# EAGLE board Mk4 Final a Panel score 2x5 (EAGLE 9.0.1), part 16 of 29
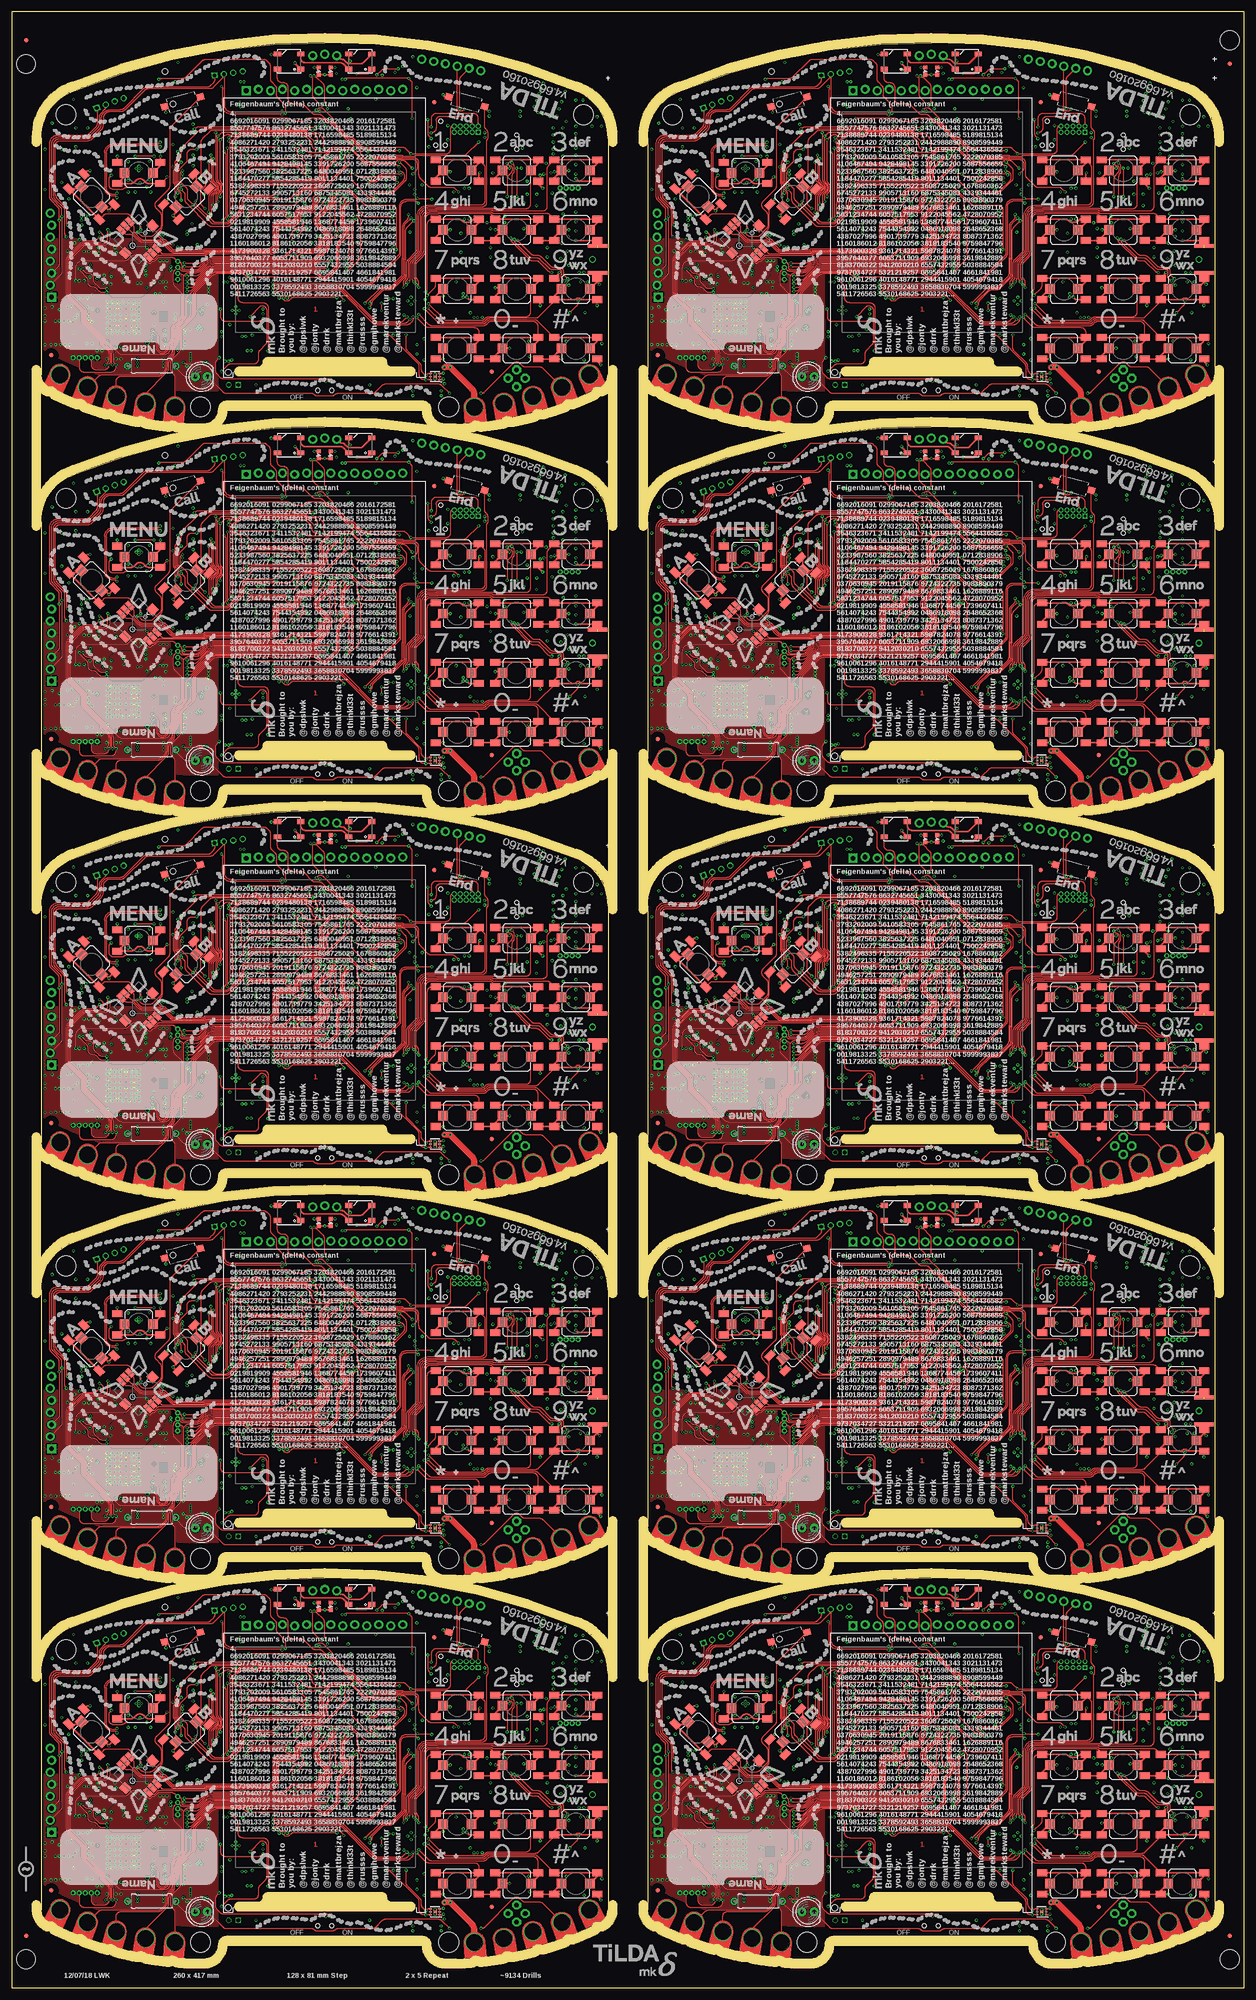
[diagram p0: board, top side]
## Tracks (layer width: path | path; a pad name or v marks a point on that pad's centre or on a via) (continued)
GND9  (via drill 0.3)  (1 unrouted) (continued)
  other vias: 191.25,368.25 200.75,368.25 184.9,371.15 154.8,384.4 154.25,383.95 244.7,378.1 244.35,374.35 244,398 243.5,396.5 243,395 241.5,395 240,395.5 239,395.75 238.25,397 238.75,398.25 239.25,399.75 149.7,353.1 149.7,351.9 149.7,350.7 150.9,350.7 152.1,350.7 153.3,350.7 153.3,351.9 153.3,353.1 152.1,354.3 145,357.25 145,354.35 141,349.2 140.25,346.75 139.25,346.75 138.25,346.75 137.25,346.75 140,351.75 139,351.75 138,351.75 137.2,351.75 213,356 212.25,356.75 212.25,355.25 223.25,357.5 223.25,356.75 248,360 247,370.75 247,372.65 247,374.75 247,376.75 247,382.75 247,384.75 247,386.75 247,391.25 247,392.85 250.4,392.85 252.4,392.85 175.25,354 176,354 175.25,354.75 175.25,353.25 174.5,354 157.3,378.95 152.55,378.95 152.55,381.45 157.05,381.55 157.05,385.45 165.7,344.85 165.7,344.35 165.7,343.35 165.7,343.85 164.9,342.25 165.6,342.25 164.6,349.95 164.5,348.95 164.5,346.75 164.5,347.55 148.75,353.1 148.75,351.9 148.75,350.7 148.75,354.3 154.25,353.1 154.25,351.9 154.25,350.7 154.25,354.3 149.7,349.75 150.9,349.75 152.1,349.75 153.3,349.75 149.7,355.25 150.9,355.25 152.1,355.25 153.3,355.25 154.25,349.75 154.25,355.25 148.75,355.25 148.75,349.75 152.7,355.85 149.2,355.85 148.15,355.85 148.15,354.8 151.5,349.15 152.7,349.15 153.9,349.15 150.3,349.15 149.2,349.15 154.85,352.45 154.85,351.25 154.85,350.05 154.85,353.65 148.15,352.5 148.15,351.3 148.15,350.2 148.15,353.7 154.85,354.75 154.85,355.85 154.85,349.15 148.15,349.15 248.7,362 247.7,362 249.5,360 244,368.2 138.5,388 138.5,381 141.5,388.5 141.5,392.5 144,392.5 141,398.5 136.5,393.5 135,388 135,379.5 140,377.5 141.25,368.25 135,354.5 232,365.25 229,365.25 229,367.25 229,371.25 236,371.25 238.7,376.1 236,376.75 242,378.75 245.5,363.5 245.25,366.5 247,388.25 247,389.75 245,393.85 247,398.35 251.5,394.85 248.5,398.35 243.85,364.95 247,363.5 140.6,354.95 141.35,352.45 141.85,352.95 144,354.7 143,356.7 144,356.7 142.1,356.6 244.25,392.5 242.25,392.5 244.25,391 242.25,391 244.25,389.5 242.25,389.5 244.25,388 242.25,388 244.25,386.5 242.25,387 240.75,385 240.25,382.75 239.5,382.5 241.75,383 242.5,383.25 244,385 139.75,366.5 138,354.15 135,352.85 232,376.25 232,372.5 232,373.9
  pour GND@3 (isolate 0.254, rank 6): 134.2,392.5 134.2,339 arc31 166,330 168.7,330 arc90 171.5,332.8 arc-90 173.5,334.8 214.5,334.8 arc-90 216.5,332.8 arc90 219.3,330 222,330 arc31 253.8,339 253.8,362.5 247.5,362.5 247.5,392.5 253.8,392.5 arc64 247.25,400.25 arc24 194,410.5 arc24 140.75,400.25 arc55
  pour Bottom (rank 6): 201.25,366.9 201.25,368.25 201,368.5 191,368.5 190.75,368.25 190.75,366.9
  pour Bottom (isolate 0.254, rank 6): 134.2,392.5 134.2,346 arc9 145,341 145,353 147,353 147,359 145,359 145,361 arc90 144,362 143,362 arc-90 142,363 142,383.71 arc-90 154.79,396.5 162.5,396.5 166,400 224.5,399.5 arc-90 227,397 227,362.5 238.09,362.5 arc-45 238.79,362.21 241.21,359.79 arc45 241.91,359.5 253.8,359.5 253.8,362.5 247.5,362.5 247.5,392.5 253.8,392.5 arc64 247.25,400.25 arc24 194,410.5 arc24 140.75,400.25 arc55
  pour Bottom (rank 2, no thermals): 235.5,363 237,363 237,360.5 236.41,360.5 arc45 235.71,360.21 235.29,359.79 arc45 235,359.09 235,357 arc-90 234,356 223.5,356 arc-90 222.5,357 arc-90 223.5,358 231.75,358 arc90 232.75,359 232.75,359.09 arc-45 233.04,359.79 233.71,360.46 arc-45 234.41,360.75 234.59,360.75 arc45 235.29,361.04 235.5,361.25
  pour Bottom (no thermals): 185.5,369.5 185.5,368.2 185.3,368 185.2,368 185,368.2 185,369.25 184.5,369.75 184.5,371.3 184.7,371.5 185.05,371.5 185.25,371.3 185.25,369.75
  pour Bottom: 157.55,378.95 157.55,384.95 arc90 156.55,385.95 153.05,385.95 arc90 152.05,384.95 152.05,378.95 arc90 153.05,377.95 156.55,377.95 arc90
  pour Bottom (no thermals): 171.4,357 171.4,358.1 171.2,358.3 171.2,359.05 171,359.25 169.75,359.25 169.25,358.75 169.25,357.25 169.5,357
  pour Bottom (no thermals): 165.9,344.8 165.9,342.3 arc-90 165.4,341.8 164.45,341.8 arc-90 163.95,342.3 163.95,349.65 arc-90 164.45,350.15 165.55,350.15 arc-90 166.05,349.65 166.05,346.1 arc90 166.55,345.6 167.8,345.6 167.85,345.55 167.85,344.9 167.75,344.8
  pour Top (rank 6): 134.2,369 134.2,346 arc34 171,337 171.5,337 171.5,369
GSM_ANT
  Bottom 0.4: L3.1 C72.2 117.26,43.6 arc45 116.56,43.31 115.59,42.34 arc-45 114.89,42.05 IC5.32
GSM_ANT1
  Bottom 0.4: L13.1 C173.2 245.26,43.6 arc45 244.56,43.31 243.59,42.34 arc-45 242.89,42.05 IC21.32
GSM_ANT2
  Bottom 0.4: L22.1 C281.2 117.26,124.6 arc45 116.56,124.31 115.59,123.34 arc-45 114.89,123.05 IC39.32
GSM_ANT3
  Bottom 0.4: L31.1 C389.2 245.26,124.6 arc45 244.56,124.31 243.59,123.34 arc-45 242.89,123.05 IC57.32
GSM_ANT4
  Bottom 0.4: L40.1 C497.2 117.26,205.6 arc45 116.56,205.31 115.59,204.34 arc-45 114.89,204.05 IC75.32
GSM_ANT5
  Bottom 0.4: L49.1 C605.2 245.26,205.6 arc45 244.56,205.31 243.59,204.34 arc-45 242.89,204.05 IC93.32
GSM_ANT6
  Bottom 0.4: L58.1 C713.2 117.26,286.6 arc45 116.56,286.31 115.59,285.34 arc-45 114.89,285.05 IC111.32
GSM_ANT7
  Bottom 0.4: L67.1 C821.2 245.26,286.6 arc45 244.56,286.31 243.59,285.34 arc-45 242.89,285.05 IC129.32
GSM_ANT8
  Bottom 0.4: L76.1 C929.2 117.26,367.6 arc45 116.56,367.31 115.59,366.34 arc-45 114.89,366.05 IC147.32
GSM_ANT9
  Bottom 0.4: L85.1 C1037.2 245.26,367.6 arc45 244.56,367.31 243.59,366.34 arc-45 242.89,366.05 IC165.32
HDC_INT  (via drill 0.3)
  Top 0.15: v84.6,58.8 85.21,59.41 arc45 85.5,60.11 85.5,60.9 arc90 84.5,61.9 82.45,61.9 arc-45 82.31,61.96 82.2,62.07 arc45 82.06,62.12 81.54,62.12 arc45 81.4,62.07 81.29,61.96 arc-45 81.15,61.9 76.75,61.9 arc45 76.4,61.75 76.26,61.62 arc-45 75.91,61.48 75.44,61.48 arc-45 74.73,61.77 73.79,62.71 arc-45 73.5,63.41 73.5,63.53 arc45 73.21,64.23 72.31,65.13 arc45 71.96,65.28 arc-45 71.73,65.37 v71.6,65.5 | v75.5,30.6 arc-45 75.61,30.87 75.88,31.14 arc45 76.03,31.49 76.03,31.72 arc-45 76.17,32.07 78.11,34.01 arc-45 78.81,34.3 79.79,34.3 arc45 80.49,34.59 82.71,36.81 arc45 83,37.51 83,40.7 arc-45 83.03,40.77 83.1,40.83 arc45 83.12,40.9 83.12,46.81 arc-45 83.42,47.52 v84.8,48.9
  3V3@2 0.15: v84.8,48.9 84.8,51.2 83.1,52.9 83.1,58 84,58.9 84.5,58.9 v84.6,58.8
  Bottom 0.15: IC3.4 86.12,12 arc90 85.88,11.75 85.88,11.6 arc-90 85.62,11.35 84.8,11.35 arc-90 83.8,12.35 83.8,12.79 arc-45 84.09,13.49 84.34,13.74 arc-45 84.48,13.8 84.52,13.8 arc45 84.66,13.86 85.86,15.06 arc45 86.3,16.12 86.3,17.85 arc90 84.55,19.6 81.42,19.6 arc-45 80.53,19.97 75.57,24.93 arc-45 75.2,25.82 75.2,29.89 arc-45 v75.49,30.59 v75.5,30.6 | IC1.95 71.8,65.98 arc-45 v71.6,65.5
HDC_INT1  (via drill 0.3)
  Top 0.15: v212.6,58.8 213.21,59.41 arc45 213.5,60.11 213.5,60.9 arc90 212.5,61.9 210.45,61.9 arc-45 210.31,61.96 210.2,62.07 arc45 210.06,62.12 209.54,62.12 arc45 209.4,62.07 209.29,61.96 arc-45 209.15,61.9 204.75,61.9 arc45 204.4,61.75 204.26,61.62 arc-45 203.91,61.48 203.44,61.48 arc-45 202.73,61.77 201.79,62.71 arc-45 201.5,63.41 201.5,63.53 arc45 201.21,64.23 200.31,65.13 arc45 199.96,65.28 arc-45 199.73,65.37 v199.6,65.5 | v203.5,30.6 arc-45 203.61,30.87 203.88,31.14 arc45 204.03,31.49 204.03,31.72 arc-45 204.17,32.07 206.11,34.01 arc-45 206.81,34.3 207.79,34.3 arc45 208.49,34.59 210.71,36.81 arc45 211,37.51 211,40.7 arc-45 211.03,40.77 211.1,40.83 arc45 211.12,40.9 211.12,46.81 arc-45 211.42,47.52 v212.8,48.9
  3V3@2 0.15: v212.8,48.9 212.8,51.2 211.1,52.9 211.1,58 212,58.9 212.5,58.9 v212.6,58.8
  Bottom 0.15: IC35.4 214.12,12 arc90 213.88,11.75 213.88,11.6 arc-90 213.62,11.35 212.8,11.35 arc-90 211.8,12.35 211.8,12.79 arc-45 212.09,13.49 212.34,13.74 arc-45 212.48,13.8 212.52,13.8 arc45 212.66,13.86 213.86,15.06 arc45 214.3,16.12 214.3,17.85 arc90 212.55,19.6 209.42,19.6 arc-45 208.53,19.97 203.57,24.93 arc-45 203.2,25.82 203.2,29.89 arc-45 v203.49,30.59 v203.5,30.6 | IC20.95 199.8,65.98 arc-45 v199.6,65.5
HDC_INT2  (via drill 0.3)
  Top 0.15: v84.6,139.8 85.21,140.41 arc45 85.5,141.11 85.5,141.9 arc90 84.5,142.9 82.45,142.9 arc-45 82.31,142.96 82.2,143.07 arc45 82.06,143.12 81.54,143.12 arc45 81.4,143.07 81.29,142.96 arc-45 81.15,142.9 76.75,142.9 arc45 76.4,142.75 76.26,142.62 arc-45 75.91,142.47 75.44,142.47 arc-45 74.73,142.77 73.79,143.71 arc-45 73.5,144.41 73.5,144.53 arc45 73.21,145.24 72.31,146.13 arc45 71.96,146.28 arc-45 71.73,146.37 v71.6,146.5 | v75.5,111.6 arc-45 75.61,111.87 75.88,112.14 arc45 76.03,112.49 76.03,112.72 arc-45 76.17,113.07 78.11,115.01 arc-45 78.81,115.3 79.79,115.3 arc45 80.49,115.59 82.71,117.81 arc45 83,118.51 83,121.69 arc-45 83.03,121.77 83.1,121.83 arc45 83.12,121.9 83.12,127.81 arc-45 83.42,128.52 v84.8,129.9
  3V3@2 0.15: v84.8,129.9 84.8,132.2 83.1,133.9 83.1,139 84,139.9 84.5,139.9 v84.6,139.8
  Bottom 0.15: IC53.4 86.12,93 arc90 85.88,92.75 85.88,92.6 arc-90 85.62,92.35 84.8,92.35 arc-90 83.8,93.35 83.8,93.79 arc-45 84.09,94.49 84.34,94.74 arc-45 84.48,94.8 84.52,94.8 arc45 84.66,94.86 85.86,96.06 arc45 86.3,97.12 86.3,98.85 arc90 84.55,100.6 81.42,100.6 arc-45 80.53,100.97 75.57,105.93 arc-45 75.2,106.82 75.2,110.89 arc-45 v75.49,111.59 v75.5,111.6 | IC38.95 71.8,146.98 arc-45 v71.6,146.5
HDC_INT3  (via drill 0.3)
  Top 0.15: v212.6,139.8 213.21,140.41 arc45 213.5,141.11 213.5,141.9 arc90 212.5,142.9 210.45,142.9 arc-45 210.31,142.96 210.2,143.07 arc45 210.06,143.12 209.54,143.12 arc45 209.4,143.07 209.29,142.96 arc-45 209.15,142.9 204.75,142.9 arc45 204.4,142.75 204.26,142.62 arc-45 203.91,142.47 203.44,142.47 arc-45 202.73,142.77 201.79,143.71 arc-45 201.5,144.41 201.5,144.53 arc45 201.21,145.24 200.31,146.13 arc45 199.96,146.28 arc-45 199.73,146.37 v199.6,146.5 | v203.5,111.6 arc-45 203.61,111.87 203.88,112.14 arc45 204.03,112.49 204.03,112.72 arc-45 204.17,113.07 206.11,115.01 arc-45 206.81,115.3 207.79,115.3 arc45 208.49,115.59 210.71,117.81 arc45 211,118.51 211,121.69 arc-45 211.03,121.77 211.1,121.83 arc45 211.12,121.9 211.12,127.81 arc-45 211.42,128.52 v212.8,129.9
  3V3@2 0.15: v212.8,129.9 212.8,132.2 211.1,133.9 211.1,139 212,139.9 212.5,139.9 v212.6,139.8
  Bottom 0.15: IC71.4 214.12,93 arc90 213.88,92.75 213.88,92.6 arc-90 213.62,92.35 212.8,92.35 arc-90 211.8,93.35 211.8,93.79 arc-45 212.09,94.49 212.34,94.74 arc-45 212.48,94.8 212.52,94.8 arc45 212.66,94.86 213.86,96.06 arc45 214.3,97.12 214.3,98.85 arc90 212.55,100.6 209.42,100.6 arc-45 208.53,100.97 203.57,105.93 arc-45 203.2,106.82 203.2,110.89 arc-45 v203.49,111.59 v203.5,111.6 | IC56.95 199.8,146.98 arc-45 v199.6,146.5
HDC_INT4  (via drill 0.3)
  Top 0.15: v84.6,220.8 85.21,221.41 arc45 85.5,222.11 85.5,222.9 arc90 84.5,223.9 82.45,223.9 arc-45 82.31,223.96 82.2,224.07 arc45 82.06,224.12 81.54,224.12 arc45 81.4,224.07 81.29,223.96 arc-45 81.15,223.9 76.75,223.9 arc45 76.4,223.75 76.26,223.62 arc-45 75.91,223.47 75.44,223.47 arc-45 74.73,223.77 73.79,224.71 arc-45 73.5,225.41 73.5,225.53 arc45 73.21,226.24 72.31,227.13 arc45 71.96,227.28 arc-45 71.73,227.37 v71.6,227.5 | v75.5,192.6 arc-45 75.61,192.87 75.88,193.14 arc45 76.03,193.49 76.03,193.72 arc-45 76.17,194.07 78.11,196.01 arc-45 78.81,196.3 79.79,196.3 arc45 80.49,196.59 82.71,198.81 arc45 83,199.51 83,202.69 arc-45 83.03,202.76 83.1,202.83 arc45 83.12,202.9 83.12,208.81 arc-45 83.42,209.52 v84.8,210.9
  3V3@2 0.15: v84.8,210.9 84.8,213.2 83.1,214.9 83.1,220 84,220.9 84.5,220.9 v84.6,220.8
  Bottom 0.15: IC89.4 86.12,174 arc90 85.88,173.75 85.88,173.6 arc-90 85.62,173.35 84.8,173.35 arc-90 83.8,174.35 83.8,174.79 arc-45 84.09,175.49 84.34,175.74 arc-45 84.48,175.8 84.52,175.8 arc45 84.66,175.86 85.86,177.06 arc45 86.3,178.12 86.3,179.85 arc90 84.55,181.6 81.42,181.6 arc-45 80.53,181.97 75.57,186.93 arc-45 75.2,187.82 75.2,191.89 arc-45 v75.49,192.59 v75.5,192.6 | IC74.95 71.8,227.98 arc-45 v71.6,227.5
HDC_INT5  (via drill 0.3)
  Top 0.15: v212.6,220.8 213.21,221.41 arc45 213.5,222.11 213.5,222.9 arc90 212.5,223.9 210.45,223.9 arc-45 210.31,223.96 210.2,224.07 arc45 210.06,224.12 209.54,224.12 arc45 209.4,224.07 209.29,223.96 arc-45 209.15,223.9 204.75,223.9 arc45 204.4,223.75 204.26,223.62 arc-45 203.91,223.47 203.44,223.47 arc-45 202.73,223.77 201.79,224.71 arc-45 201.5,225.41 201.5,225.53 arc45 201.21,226.24 200.31,227.13 arc45 199.96,227.28 arc-45 199.73,227.37 v199.6,227.5 | v203.5,192.6 arc-45 203.61,192.87 203.88,193.14 arc45 204.03,193.49 204.03,193.72 arc-45 204.17,194.07 206.11,196.01 arc-45 206.81,196.3 207.79,196.3 arc45 208.49,196.59 210.71,198.81 arc45 211,199.51 211,202.69 arc-45 211.03,202.76 211.1,202.83 arc45 211.12,202.9 211.12,208.81 arc-45 211.42,209.52 v212.8,210.9
  3V3@2 0.15: v212.8,210.9 212.8,213.2 211.1,214.9 211.1,220 212,220.9 212.5,220.9 v212.6,220.8
  Bottom 0.15: IC107.4 214.12,174 arc90 213.88,173.75 213.88,173.6 arc-90 213.62,173.35 212.8,173.35 arc-90 211.8,174.35 211.8,174.79 arc-45 212.09,175.49 212.34,175.74 arc-45 212.48,175.8 212.52,175.8 arc45 212.66,175.86 213.86,177.06 arc45 214.3,178.12 214.3,179.85 arc90 212.55,181.6 209.42,181.6 arc-45 208.53,181.97 203.57,186.93 arc-45 203.2,187.82 203.2,191.89 arc-45 v203.49,192.59 v203.5,192.6 | IC92.95 199.8,227.98 arc-45 v199.6,227.5
HDC_INT6  (via drill 0.3)
  Top 0.15: v84.6,301.8 85.21,302.41 arc45 85.5,303.11 85.5,303.9 arc90 84.5,304.9 82.45,304.9 arc-45 82.31,304.96 82.2,305.07 arc45 82.06,305.12 81.54,305.12 arc45 81.4,305.07 81.29,304.96 arc-45 81.15,304.9 76.75,304.9 arc45 76.4,304.75 76.26,304.62 arc-45 75.91,304.48 75.44,304.48 arc-45 74.73,304.77 73.79,305.71 arc-45 73.5,306.41 73.5,306.53 arc45 73.21,307.24 72.31,308.13 arc45 71.96,308.27 arc-45 71.73,308.37 v71.6,308.5 | v75.5,273.6 arc-45 75.61,273.87 75.88,274.14 arc45 76.03,274.49 76.03,274.72 arc-45 76.17,275.07 78.11,277.01 arc-45 78.81,277.3 79.79,277.3 arc45 80.49,277.59 82.71,279.81 arc45 83,280.51 83,283.69 arc-45 83.03,283.76 83.1,283.83 arc45 83.12,283.9 83.12,289.81 arc-45 83.42,290.52 v84.8,291.9
  3V3@2 0.15: v84.8,291.9 84.8,294.2 83.1,295.9 83.1,301 84,301.9 84.5,301.9 v84.6,301.8
  Bottom 0.15: IC125.4 86.12,255 arc90 85.88,254.75 85.88,254.6 arc-90 85.62,254.35 84.8,254.35 arc-90 83.8,255.35 83.8,255.79 arc-45 84.09,256.49 84.34,256.74 arc-45 84.48,256.8 84.52,256.8 arc45 84.66,256.86 85.86,258.06 arc45 86.3,259.12 86.3,260.85 arc90 84.55,262.6 81.42,262.6 arc-45 80.53,262.97 75.57,267.93 arc-45 75.2,268.82 75.2,272.89 arc-45 v75.49,273.59 v75.5,273.6 | IC110.95 71.8,308.98 arc-45 v71.6,308.5
HDC_INT7  (via drill 0.3)
  Top 0.15: v212.6,301.8 213.21,302.41 arc45 213.5,303.11 213.5,303.9 arc90 212.5,304.9 210.45,304.9 arc-45 210.31,304.96 210.2,305.07 arc45 210.06,305.12 209.54,305.12 arc45 209.4,305.07 209.29,304.96 arc-45 209.15,304.9 204.75,304.9 arc45 204.4,304.75 204.26,304.62 arc-45 203.91,304.48 203.44,304.48 arc-45 202.73,304.77 201.79,305.71 arc-45 201.5,306.41 201.5,306.53 arc45 201.21,307.24 200.31,308.13 arc45 199.96,308.27 arc-45 199.73,308.37 v199.6,308.5 | v203.5,273.6 arc-45 203.61,273.87 203.88,274.14 arc45 204.03,274.49 204.03,274.72 arc-45 204.17,275.07 206.11,277.01 arc-45 206.81,277.3 207.79,277.3 arc45 208.49,277.59 210.71,279.81 arc45 211,280.51 211,283.69 arc-45 211.03,283.76 211.1,283.83 arc45 211.12,283.9 211.12,289.81 arc-45 211.42,290.52 v212.8,291.9
  3V3@2 0.15: v212.8,291.9 212.8,294.2 211.1,295.9 211.1,301 212,301.9 212.5,301.9 v212.6,301.8
  Bottom 0.15: IC143.4 214.12,255 arc90 213.88,254.75 213.88,254.6 arc-90 213.62,254.35 212.8,254.35 arc-90 211.8,255.35 211.8,255.79 arc-45 212.09,256.49 212.34,256.74 arc-45 212.48,256.8 212.52,256.8 arc45 212.66,256.86 213.86,258.06 arc45 214.3,259.12 214.3,260.85 arc90 212.55,262.6 209.42,262.6 arc-45 208.53,262.97 203.57,267.93 arc-45 203.2,268.82 203.2,272.89 arc-45 v203.49,273.59 v203.5,273.6 | IC128.95 199.8,308.98 arc-45 v199.6,308.5
HDC_INT8  (via drill 0.3)
  Top 0.15: v84.6,382.8 85.21,383.41 arc45 85.5,384.11 85.5,384.9 arc90 84.5,385.9 82.45,385.9 arc-45 82.31,385.96 82.2,386.07 arc45 82.06,386.12 81.54,386.12 arc45 81.4,386.07 81.29,385.96 arc-45 81.15,385.9 76.75,385.9 arc45 76.4,385.75 76.26,385.62 arc-45 75.91,385.48 75.44,385.48 arc-45 74.73,385.77 73.79,386.71 arc-45 73.5,387.41 73.5,387.53 arc45 73.21,388.24 72.31,389.13 arc45 71.96,389.27 arc-45 71.73,389.37 v71.6,389.5 | v75.5,354.6 arc-45 75.61,354.87 75.88,355.14 arc45 76.03,355.49 76.03,355.72 arc-45 76.17,356.07 78.11,358.01 arc-45 78.81,358.3 79.79,358.3 arc45 80.49,358.59 82.71,360.81 arc45 83,361.51 83,364.69 arc-45 83.03,364.76 83.1,364.83 arc45 83.12,364.9 83.12,370.81 arc-45 83.42,371.52 v84.8,372.9
  3V3@2 0.15: v84.8,372.9 84.8,375.2 83.1,376.9 83.1,382 84,382.9 84.5,382.9 v84.6,382.8
  Bottom 0.15: IC161.4 86.12,336 arc90 85.88,335.75 85.88,335.6 arc-90 85.62,335.35 84.8,335.35 arc-90 83.8,336.35 83.8,336.79 arc-45 84.09,337.49 84.34,337.74 arc-45 84.48,337.8 84.52,337.8 arc45 84.66,337.86 85.86,339.06 arc45 86.3,340.12 86.3,341.85 arc90 84.55,343.6 81.42,343.6 arc-45 80.53,343.97 75.57,348.93 arc-45 75.2,349.82 75.2,353.89 arc-45 v75.49,354.59 v75.5,354.6 | IC146.95 71.8,389.98 arc-45 v71.6,389.5
HDC_INT9  (via drill 0.3)
  Top 0.15: v212.6,382.8 213.21,383.41 arc45 213.5,384.11 213.5,384.9 arc90 212.5,385.9 210.45,385.9 arc-45 210.31,385.96 210.2,386.07 arc45 210.06,386.12 209.54,386.12 arc45 209.4,386.07 209.29,385.96 arc-45 209.15,385.9 204.75,385.9 arc45 204.4,385.75 204.26,385.62 arc-45 203.91,385.48 203.44,385.48 arc-45 202.73,385.77 201.79,386.71 arc-45 201.5,387.41 201.5,387.53 arc45 201.21,388.24 200.31,389.13 arc45 199.96,389.27 arc-45 199.73,389.37 v199.6,389.5 | v203.5,354.6 arc-45 203.61,354.87 203.88,355.14 arc45 204.03,355.49 204.03,355.72 arc-45 204.17,356.07 206.11,358.01 arc-45 206.81,358.3 207.79,358.3 arc45 208.49,358.59 210.71,360.81 arc45 211,361.51 211,364.69 arc-45 211.03,364.76 211.1,364.83 arc45 211.12,364.9 211.12,370.81 arc-45 211.42,371.52 v212.8,372.9
  3V3@2 0.15: v212.8,372.9 212.8,375.2 211.1,376.9 211.1,382 212,382.9 212.5,382.9 v212.6,382.8
  Bottom 0.15: IC179.4 214.12,336 arc90 213.88,335.75 213.88,335.6 arc-90 213.62,335.35 212.8,335.35 arc-90 211.8,336.35 211.8,336.79 arc-45 212.09,337.49 212.34,337.74 arc-45 212.48,337.8 212.52,337.8 arc45 212.66,337.86 213.86,339.06 arc45 214.3,340.12 214.3,341.85 arc90 212.55,343.6 209.42,343.6 arc-45 208.53,343.97 203.57,348.93 arc-45 203.2,349.82 203.2,353.89 arc-45 v203.49,354.59 v203.5,354.6 | IC164.95 199.8,389.98 arc-45 v199.6,389.5
HEADSET_DET  (via drill 0.3)
  Top 0.15: v31,78.75 arc-45 31.6,79 36.09,79 arc45 36.79,79.29 40.21,82.71 arc-45 40.91,83 53.09,83 arc-45 53.79,82.71 54.21,82.29 arc-45 54.5,81.59 54.5,78.91 arc45 54.79,78.21 55.55,77.45 arc-45 55.84,76.75 55.84,75.57 arc45 56.13,74.87 57.6,73.4 arc-45 57.69,73.19 v57.69,71.62
  3V3@2 0.15: v57.69,71.62 57.69,69.59 57.3,69.2 57.3,68.3 57.8,67.8 62.2,67.8 62.9,67.1 62.9,65.8 63.9,64.8 74.52,64.8 arc45 v75,65
  Bottom 0.15: IC1.98 74.52,64.8 arc45 v75,65
  Bottom 0.4: J9.7 30.42,78.17 v31,78.75
HEADSET_DET1  (via drill 0.3)
  Top 0.15: v159,78.75 arc-45 159.6,79 164.09,79 arc45 164.79,79.29 168.21,82.71 arc-45 168.91,83 181.09,83 arc-45 181.79,82.71 182.21,82.29 arc-45 182.5,81.59 182.5,78.91 arc45 182.79,78.21 183.55,77.45 arc-45 183.84,76.75 183.84,75.57 arc45 184.13,74.87 185.6,73.4 arc-45 185.69,73.19 v185.69,71.62
  3V3@2 0.15: v185.69,71.62 185.69,69.59 185.3,69.2 185.3,68.3 185.8,67.8 190.2,67.8 190.9,67.1 190.9,65.8 191.9,64.8 202.52,64.8 arc45 v203,65
  Bottom 0.15: IC20.98 202.52,64.8 arc45 v203,65
  Bottom 0.4: J17.7 158.43,78.17 v159,78.75
HEADSET_DET2  (via drill 0.3)
  Top 0.15: v31,159.75 arc-45 31.6,160 36.09,160 arc45 36.79,160.29 40.21,163.71 arc-45 40.91,164 53.09,164 arc-45 53.79,163.71 54.21,163.29 arc-45 54.5,162.59 54.5,159.91 arc45 54.79,159.21 55.55,158.45 arc-45 55.84,157.75 55.84,156.57 arc45 56.13,155.87 57.6,154.4 arc-45 57.69,154.19 v57.69,152.62
  3V3@2 0.15: v57.69,152.62 57.69,150.59 57.3,150.2 57.3,149.3 57.8,148.8 62.2,148.8 62.9,148.1 62.9,146.8 63.9,145.8 74.52,145.8 arc45 v75,146
  Bottom 0.15: IC38.98 74.52,145.8 arc45 v75,146
  Bottom 0.4: J27.7 30.42,159.18 v31,159.75
HEADSET_DET3  (via drill 0.3)
  Top 0.15: v159,159.75 arc-45 159.6,160 164.09,160 arc45 164.79,160.29 168.21,163.71 arc-45 168.91,164 181.09,164 arc-45 181.79,163.71 182.21,163.29 arc-45 182.5,162.59 182.5,159.91 arc45 182.79,159.21 183.55,158.45 arc-45 183.84,157.75 183.84,156.57 arc45 184.13,155.87 185.6,154.4 arc-45 185.69,154.19 v185.69,152.62
  3V3@2 0.15: v185.69,152.62 185.69,150.59 185.3,150.2 185.3,149.3 185.8,148.8 190.2,148.8 190.9,148.1 190.9,146.8 191.9,145.8 202.52,145.8 arc45 v203,146
  Bottom 0.15: IC56.98 202.52,145.8 arc45 v203,146
  Bottom 0.4: J37.7 158.43,159.18 v159,159.75
HEADSET_DET4  (via drill 0.3)
  Top 0.15: v31,240.75 arc-45 31.6,241 36.09,241 arc45 36.79,241.29 40.21,244.71 arc-45 40.91,245 53.09,245 arc-45 53.79,244.71 54.21,244.29 arc-45 54.5,243.59 54.5,240.91 arc45 54.79,240.21 55.55,239.45 arc-45 55.84,238.75 55.84,237.57 arc45 56.13,236.87 57.6,235.4 arc-45 57.69,235.19 v57.69,233.62
  3V3@2 0.15: v57.69,233.62 57.69,231.59 57.3,231.2 57.3,230.3 57.8,229.8 62.2,229.8 62.9,229.1 62.9,227.8 63.9,226.8 74.52,226.8 arc45 v75,227
  Bottom 0.15: IC74.98 74.52,226.8 arc45 v75,227
  Bottom 0.4: J47.7 30.42,240.18 v31,240.75
HEADSET_DET5  (via drill 0.3)
  Top 0.15: v159,240.75 arc-45 159.6,241 164.09,241 arc45 164.79,241.29 168.21,244.71 arc-45 168.91,245 181.09,245 arc-45 181.79,244.71 182.21,244.29 arc-45 182.5,243.59 182.5,240.91 arc45 182.79,240.21 183.55,239.45 arc-45 183.84,238.75 183.84,237.57 arc45 184.13,236.87 185.6,235.4 arc-45 185.69,235.19 v185.69,233.62
  3V3@2 0.15: v185.69,233.62 185.69,231.59 185.3,231.2 185.3,230.3 185.8,229.8 190.2,229.8 190.9,229.1 190.9,227.8 191.9,226.8 202.52,226.8 arc45 v203,227
  Bottom 0.15: IC92.98 202.52,226.8 arc45 v203,227
  Bottom 0.4: J57.7 158.43,240.18 v159,240.75
HEADSET_DET6  (via drill 0.3)
  Top 0.15: v31,321.75 arc-45 31.6,322 36.09,322 arc45 36.79,322.29 40.21,325.71 arc-45 40.91,326 53.09,326 arc-45 53.79,325.71 54.21,325.29 arc-45 54.5,324.59 54.5,321.91 arc45 54.79,321.21 55.55,320.45 arc-45 55.84,319.75 55.84,318.57 arc45 56.13,317.87 57.6,316.4 arc-45 57.69,316.19 v57.69,314.62
  3V3@2 0.15: v57.69,314.62 57.69,312.59 57.3,312.2 57.3,311.3 57.8,310.8 62.2,310.8 62.9,310.1 62.9,308.8 63.9,307.8 74.52,307.8 arc45 v75,308
  Bottom 0.15: IC110.98 74.52,307.8 arc45 v75,308
  Bottom 0.4: J67.7 30.42,321.18 v31,321.75
HEADSET_DET7  (via drill 0.3)
  Top 0.15: v159,321.75 arc-45 159.6,322 164.09,322 arc45 164.79,322.29 168.21,325.71 arc-45 168.91,326 181.09,326 arc-45 181.79,325.71 182.21,325.29 arc-45 182.5,324.59 182.5,321.91 arc45 182.79,321.21 183.55,320.45 arc-45 183.84,319.75 183.84,318.57 arc45 184.13,317.87 185.6,316.4 arc-45 185.69,316.19 v185.69,314.62
  3V3@2 0.15: v185.69,314.62 185.69,312.59 185.3,312.2 185.3,311.3 185.8,310.8 190.2,310.8 190.9,310.1 190.9,308.8 191.9,307.8 202.52,307.8 arc45 v203,308
  Bottom 0.15: IC128.98 202.52,307.8 arc45 v203,308
  Bottom 0.4: J77.7 158.43,321.18 v159,321.75
HEADSET_DET8  (via drill 0.3)
  Top 0.15: v31,402.75 arc-45 31.6,403 36.09,403 arc45 36.79,403.29 40.21,406.71 arc-45 40.91,407 53.09,407 arc-45 53.79,406.71 54.21,406.29 arc-45 54.5,405.59 54.5,402.91 arc45 54.79,402.21 55.55,401.45 arc-45 55.84,400.75 55.84,399.57 arc45 56.13,398.87 57.6,397.4 arc-45 57.69,397.19 v57.69,395.62
  3V3@2 0.15: v57.69,395.62 57.69,393.59 57.3,393.2 57.3,392.3 57.8,391.8 62.2,391.8 62.9,391.1 62.9,389.8 63.9,388.8 74.52,388.8 arc45 v75,389
  Bottom 0.15: IC146.98 74.52,388.8 arc45 v75,389
  Bottom 0.4: J87.7 30.42,402.18 v31,402.75
HEADSET_DET9  (via drill 0.3)
  Top 0.15: v159,402.75 arc-45 159.6,403 164.09,403 arc45 164.79,403.29 168.21,406.71 arc-45 168.91,407 181.09,407 arc-45 181.79,406.71 182.21,406.29 arc-45 182.5,405.59 182.5,402.91 arc45 182.79,402.21 183.55,401.45 arc-45 183.84,400.75 183.84,399.57 arc45 184.13,398.87 185.6,397.4 arc-45 185.69,397.19 v185.69,395.62
  3V3@2 0.15: v185.69,395.62 185.69,393.59 185.3,393.2 185.3,392.3 185.8,391.8 190.2,391.8 190.9,391.1 190.9,389.8 191.9,388.8 202.52,388.8 arc45 v203,389
  Bottom 0.15: IC164.98 202.52,388.8 arc45 v203,389
  Bottom 0.4: J97.7 158.43,402.18 v159,402.75
I2C4_SCL  (via drill 0.3)
  Top 0.15: v70,32.1 70,32.3 69.29,33.01 arc45 68.59,33.3 59.21,33.3 arc45 58.51,33.01 v58.1,32.6 57.78,32.92 arc90 56.72,32.92 v56.4,32.6 | v83.2,24.8 83.2,22.14 arc45 83.49,21.43 86.01,18.92 arc-45 86.3,18.21 86.3,17.71 arc45 86.59,17.01 v87.35,16.25 87.46,16.36 arc-45 88.16,16.65 IC17.4
  3V3@2 0.15: v53,52.7 52.3,53.4 52.3,57.8 52.55,58.05 52.55,60.55 53,61 55,61 57.4,63.4 59.95,63.4 60.5,62.85 61.05,62.85 61.5,63.3 v61.5,63.4
  Bottom 0.15: IC8.5 48,32.3 arc-90 49,33.3 51.38,33.3 arc-45 52.27,32.93 52.51,32.69 arc45 53.21,32.4 56.12,32.4 arc45 56.26,32.46 v56.4,32.6 | IC4.19 80.75,30.75 | IC16.1 82.25,27.5 82.28,27.52 | 82.28,27.52 arc90 82.28,28.23 81.04,29.46 arc-45 80.75,30.16 80.75,30.75 | 80.75,30.75 78.16,30.75 arc-45 77.46,31.04 76.69,31.81 arc45 75.99,32.1 v70,32.1 | v58.1,32.6 57.7,33 57.7,36.38 arc45 57.33,37.27 52.99,41.61 arc-45 52.7,42.31 52.7,51.99 arc-45 v52.99,52.69 v53,52.7 53.05,52.75 R22.1 | v83.2,24.8 83.2,26.39 arc45 83.05,26.75 82.28,27.52 | IC1.61 60.69,64 arc-45 61.05,63.85 v61.5,63.4 | IC3.6 86.72,14.88 arc45 86.7,14.95 86.63,15.02 arc-45 86.6,15.09 86.6,15.29 arc-45 86.75,15.65 v87.35,16.25